# Altium PCB wulpus_pro_acq.PcbDoc (part 3 of 3)
Units mm, origin at the board's own origin, x right, y up, seen from the top; angles counter-clockwise.
Board outline 79.3 x 38 mm, 6 copper layers (Top Layer, Layer 2, Layer 3, Layer 4, Layer 5, Bottom Layer), stack 0.926 mm thick; 202 components, 136 nets, 925 pads, 254 vias.
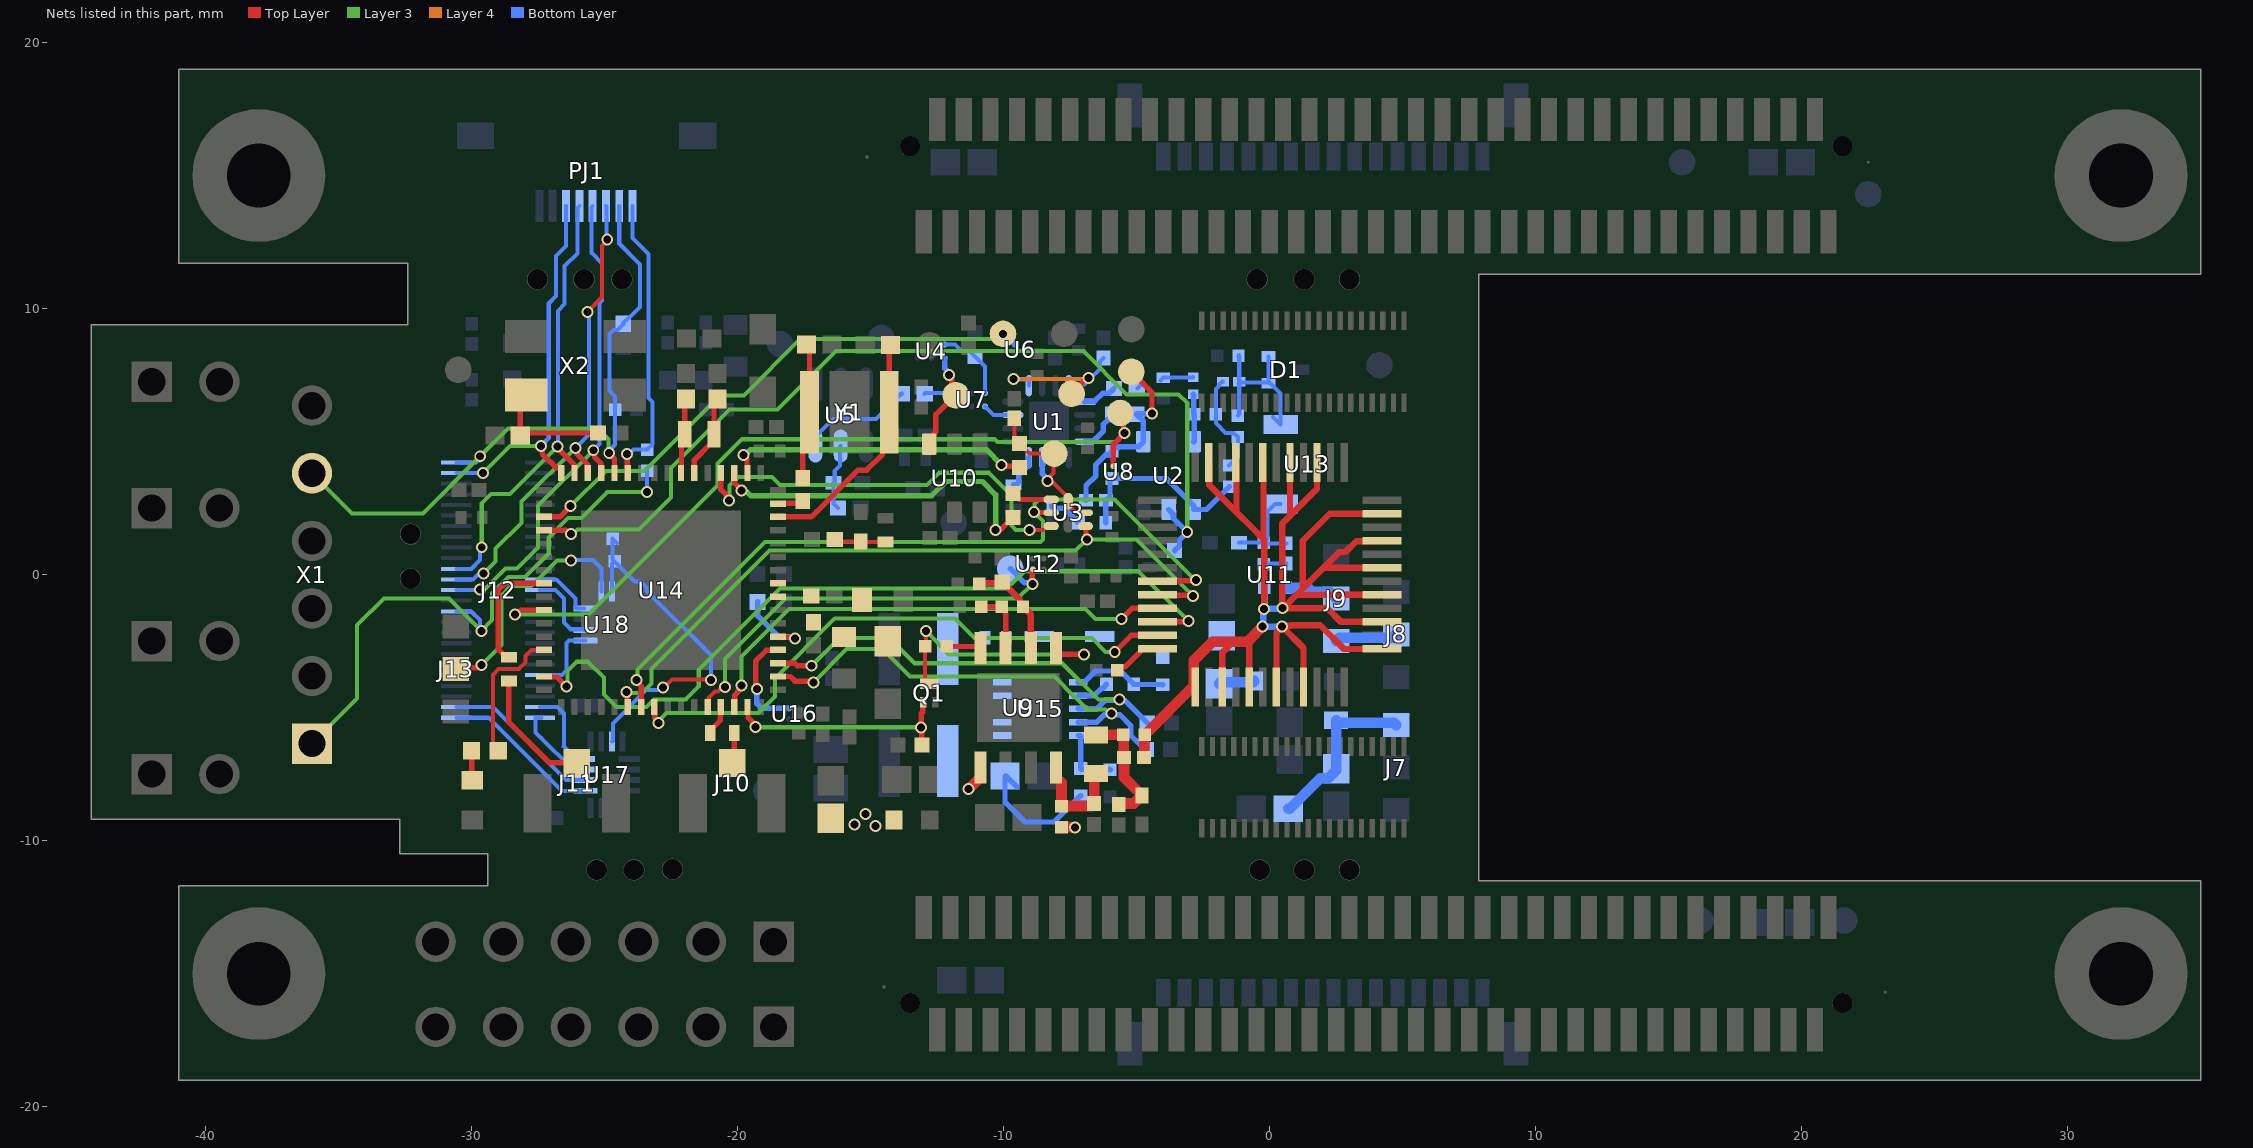
[diagram p7: the nets of this part, all layers, seen from the top]

## Via types
v1: diameter 0.45, hole 0.3, Top Layer to Bottom Layer, tented both sides, 254 vias

## Nets (pads, with @x,y where several pads share a name; then routed paths per layer and width w, separated by ;. In a path a pad name is that pad's centre, name@x,y a point inside that pad or via, vN(x,y) a via of type N, cw(c..) or ccw(c..) an arc to the next point about the centre after c; other vN are vias at no path point) (continued)
HV_EN1: R43.1 U14.50 U15.9 | length 17.6
  Top Layer w0.203: U14.50@-18.48,-3.831 -18.019,-3.831 -17.847,-4.003 -17.197,-4.003 v1(-17.15,-4.05)
  Layer 3 w0.152: v1(-17.15,-4.05) -15.9,-2.8 -14.55,-2.8 -13.525,-3.825 -8.086,-3.825 -7.687,-4.224 -7.687,-4.238 -6.856,-5.069 -6.177,-5.069 -6.022,-5.225 v1(-5.941,-5.225)
  Bottom Layer w0.203: U15.9@-7.2,-5.548 -6.498,-5.548 -6.222,-5.272 -5.988,-5.272 v1(-5.941,-5.225) -5.903,-5.263 -5.637,-5.263 -5.225,-5.675 -5.225,-6.038 -4.873,-6.39 -4.81,-6.39 -4.627,-6.573 R43.1@-4.627,-6.575
HV_EN2: R44.1 U14.51 U15.8 | length 17.4
  Top Layer w0.203: U14.51@-18.48,-3.331 -17.856,-3.331 -17.762,-3.425 v1(-17.225,-3.425)
  Layer 3 w0.152: v1(-17.225,-3.425) -16.175,-2.375 -14.3,-2.375 -13.344,-3.331 -7.806,-3.331 -6.437,-4.7 v1(-5.65,-4.7)
  Bottom Layer w0.203: U15.8@-7.2,-5.048 -6.508,-5.048 -6.179,-4.719 -5.669,-4.719 v1(-5.65,-4.7) -5.603,-4.747 -5.428,-4.747 -4.602,-5.573 R44.1@-4.602,-5.575
HV_MUX_CLR: U11.22 U14.31 | length 30.6
  Top Layer w0.203: U14.31@-27.28,-3.831 -27.261,-3.849 -26.798,-3.849 -26.447,-4.2 v1(-26.43,-4.2) ; U11.22@-4.216,-1.778 -3.078,-1.778 v1(-3.05,-1.75)
  Layer 3 w0.152: v1(-26.43,-4.2) -26.4,-4.17 -26.4,-3.625 -26.05,-3.275 -25.625,-3.275 -25.026,-3.874 -25.026,-4.499 -24.55,-4.975 -23.425,-4.975 -23.15,-4.7 -21.95,-4.7 -21.463,-4.213 -21.463,-3.588 -18.4,-0.525 -9.877,-0.525 -9.226,0.126 -4.926,0.126 v1(-3.05,-1.75)
HV_MUX_LE: U11.21 U14.46 | length 18.7
  Top Layer w0.203: U14.46@-20.13,-4.98 -20.112,-4.961 -20.112,-4.536 -19.994,-4.418 -19.994,-4.375 -19.861,-4.242 v1(-19.861,-4.175) ; v1(-5.575,-1.675) -5.17,-1.27 U11.21@-4.216,-1.27
  Layer 3 w0.152: v1(-19.861,-4.175) -19.861,-3.086 -18.075,-1.3 -6.925,-1.3 -6.55,-1.675 v1(-5.575,-1.675)
HV_MUX_PWR_EN: TP12.1 U12.B2 U14.44 | length 16.5
  Top Layer w0.152: U14.44@-21.13,-4.98 -21.086,-4.936 -21.086,-4.63 -20.856,-4.4 -20.73,-4.4 -20.551,-4.221 v1(-20.47,-4.221)
  Top Layer w0.203: v1(-8.925,-0.35) -8.925,0.169 -8.9,0.194 U12.B2@-8.9,0.2
  Layer 3 w0.152: v1(-20.47,-4.221) -20.47,-3.17 -18.2,-0.9 -9.475,-0.9 v1(-8.925,-0.35)
  Bottom Layer w0.203: TP12.1@-9.75,0.225 -9.215,-0.31 -8.965,-0.31 v1(-8.925,-0.35)
HV_PWR_EN: U14.52 U16.B2 | length 3.9
  Top Layer w0.203: v1(-19.275,-4.306) -19.322,-4.259 -19.322,-3.247 -18.924,-2.849 -18.498,-2.849 U14.52@-18.48,-2.831
  Bottom Layer w0.203: v1(-19.275,-4.306) -19.275,-4.85 -19.1,-5.025 U16.B2@-18.075,-5.025
I2C_A_SCL: J12.36 R45.2 X1.1 | length 22.3
  Layer 3 w0.152: X1.1@-36,-6.35 -34.3,-4.65 -34.3,-1.9 -33.3,-0.9 -30.85,-0.9 v1(-29.632,-2.118) -29.225,-1.711 -29.225,-0.696 -28.614,-0.085 -27.985,-0.085 -27.1,0.8 -27.1,1.4 -26.376,2.124 -25.876,2.124 -24.9,3.1 v1(-23.4,3.1)
  Bottom Layer w0.152: J12.36@-30.575,-1.38 -30.013,-1.38 -29.689,-1.704 -29.689,-2.061 v1(-29.632,-2.118) ; v1(-23.4,3.1) R45.2@-23.4,3.898
JTAG_RESET_N: C56.1 J12.50 PJ1.2 R37.2 U14.12 X1.5 | length 26.2
  Top Layer w0.203: v1(-24.826,4.578) -24.798,4.578 -24.798,4.512 -24.63,4.345 U14.12@-24.63,3.82
  Layer 3 w0.152: X1.5@-36,3.81 -34.49,2.3 -31.825,2.3 v1(-29.675,4.45) -28.625,5.5 -25.25,5.5 -24.855,5.105 -24.855,4.635 -24.812,4.592 v1(-24.826,4.578)
  Bottom Layer w0.152: J12.50@-30.575,4.22 -29.834,4.22 -29.755,4.299 -29.674,4.299 v1(-29.675,4.45) ; v1@-24.796,4.579 v1@-24.798,4.578 ; v1@-24.741,4.521 v1@-24.798,4.578 ; PJ1.2@-24.45,13.85 -24.45,12.45 -23.664,11.664 -23.664,10.065 -24.069,9.66 -24.09,9.66 C56.1@-24.3,9.45 ; C56.1@-24.3,9.429 -24.3,9.407 -24.51,9.197 -24.674,9.197 -24.823,9.048 -24.823,6.923 -24.602,6.702 -24.602,6.3 -24.602,4.882 -24.826,4.658 v1(-24.826,4.578) v1@-24.798,4.578
JTAG_TCK: J12.49 PJ1.6 U14.16 | length 14.5
  Top Layer w0.203: v1(-27.393,4.842) v1@-27.376,4.825 ; v1@-27.375,4.825 -27.334,4.784 -27.334,4.524 -26.828,4.018 -26.648,4.018 -26.63,4 U14.16@-26.63,3.82
  Layer 3 w0.152: v1(-29.575,3.825) -28.558,4.842 v1(-27.393,4.842)
  Bottom Layer w0.152: J12.49@-30.575,3.82 -29.58,3.82 v1(-29.575,3.825) ; v1@-27.393,4.877 v1(-27.393,4.842) -27.1,5.135 -27.1,10.2 -26.825,10.475 -26.825,11.975 -26.45,12.35 PJ1.6@-26.45,13.85
JTAG_TDI: J12.39 PJ1.3 U14.14 | length 18.1
  Top Layer w0.152: v1(-25.65,9.875) -25.099,10.426 -25.099,12.362 -24.901,12.56 v1(-24.901,12.6)
  Top Layer w0.203: v1(-26.101,4.766) -26.054,4.718 -26.054,4.554 -25.648,4.148 -25.648,3.838 U14.14@-25.63,3.82
  Layer 3 w0.152: v1(-29.557,0.038) -29.094,0.501 -29.094,0.976 -28.124,1.946 -28.124,2.743 v1(-26.101,4.766)
  Bottom Layer w0.152: J12.39@-30.575,-0.18 -29.944,-0.18 -29.783,-0.019 -29.614,-0.019 v1(-29.557,0.038) ; v1(-26.101,4.766) -25.65,5.217 -25.593,5.274 -25.593,9.818 v1(-25.65,9.875) ; PJ1.3@-24.95,13.85 -24.926,13.826 -24.926,12.624 v1(-24.901,12.6)
JTAG_TDO: J12.38 PJ1.4 U14.13 | length 18.7
  Top Layer w0.203: v1@-25.422,4.675 -25.379,4.633 -25.379,4.423 -25.148,4.192 -25.148,3.838 U14.13@-25.13,3.82
  Layer 3 w0.152: v1(-29.676,-0.55) -29.619,-0.493 -29.45,-0.493 -28.725,0.231 -28.285,0.231 -27.5,1.016 -27.5,2.602 v1(-25.427,4.675)
  Bottom Layer w0.152: J12.38@-30.575,-0.58 -29.706,-0.58 -29.685,-0.56 v1(-29.676,-0.55) ; PJ1.4@-25.45,13.85 -25.5,13.8 -25.5,12.1 -25.099,11.699 -25.099,10.299 -25.199,10.199 -25.199,7.651 -25.2,7.65 -25.2,4.913 -25.427,4.686 v1(-25.427,4.675)
JTAG_TEST: PJ1.1 R45.1 U14.11 | length 11.2
  Top Layer w0.203: v1(-24.167,4.533) -24.192,4.533 -24.2,4.525 -24.2,4.458 -24.148,4.407 -24.148,3.838 U14.11@-24.13,3.82
  Layer 3 w0.152: v1@-24.2,4.525 -24.192,4.533 v1(-24.167,4.533)
  Bottom Layer w0.152: v1@-24.167,4.563 v1(-24.167,4.533) -24.086,4.533 -23.917,4.702 -23.398,4.702 -23.2,4.9 -23.2,6.492 -23.35,6.642 -23.35,12.05 -23.95,12.65 PJ1.1@-23.95,13.85
JTAG_TMS: J12.40 PJ1.5 U14.15 | length 17.6
  Top Layer w0.203: v1(-26.776,4.821) -26.73,4.776 -26.73,4.721 -26.148,4.139 -26.148,3.838 U14.15@-26.13,3.82
  Layer 3 w0.152: v1(-29.619,1.03) -29.619,2.675 -29.262,3.032 -28.564,3.032 v1(-26.776,4.821)
  Bottom Layer w0.152: J12.40@-30.575,0.22 -30.013,0.22 -29.691,0.542 -29.691,0.884 -29.634,0.94 -29.634,1.027 -29.632,1.03 v1(-29.619,1.03) ; v1@-26.73,4.776 v1(-26.776,4.821) -26.759,4.838 -26.759,5.141 -26.755,5.145 -26.755,9.917 -26.5,10.171 -26.5,11.6 -26.024,12.076 -26.024,13.776 PJ1.5@-25.95,13.85
LED_MSP430: R36.1 U14.29 | length 5.4
  Top Layer w0.152: R36.1@-29,-6.625 -29.2,-6.425 -29.2,-4.6 -29.195,-4.595 -29.195,-4.222 -29.2,-4.217 -29.2,-3.764 -28.984,-3.548 -28.228,-3.548 -27.981,-3.301 -27.981,-3.056 -27.756,-2.831 U14.29@-27.28,-2.831
LFXIN: C60.2 U14.6 Y2.1 | length 3.1
  Top Layer w0.203: U14.6@-21.63,3.82 -21.63,4.301 -21.05,4.882 -21.038,4.882 -20.89,5.03 Y2.1@-20.89,5.28 -20.89,6.456 C60.2@-20.75,6.596
LFXOUT: C58.2 U14.7 Y2.2 | length 2.9
  Top Layer w0.203: U14.7@-22.13,3.82 -22.112,3.838 -22.112,5.159 Y2.2@-21.99,5.28 -21.99,6.551 C58.2@-21.94,6.601
LVL_SHIFTER_EN: R46.1 R47.2 U17.7 U18.7 | length 13.4
  Top Layer w0.152: v1@-22.803,-4.245 -22.803,-4.274 -22.786,-4.274 -22.462,-3.95 -21.024,-3.95 -21.024,-3.955 v1(-21.008,-3.955)
  Bottom Layer w0.152: U17.7@-24.725,-6.28 -24.691,-6.246 -24.691,-5.591 -23.443,-4.343 -22.855,-4.343 -22.824,-4.312 -22.824,-4.266 v1@-22.803,-4.245 ; U18.7@-24.725,-0.63 -24.725,0.4 R47.2@-24.627,0.498 ; R47.2@-24.698,0.569 R46.1@-24.698,1.348 ; R46.1@-24.698,1.35 R46.1@-24.698,1.348 ; R47.2@-24.627,0.5 R47.2@-24.627,0.498 ; R46.1@-24.54,1.19 R46.1@-24.698,1.348 ; v1@-21.011,-3.955 v1(-21.008,-3.955) ; v1@-21.008,-3.944 -21.008,-3.024 -23.424,-0.608 -23.424,-0.476 -23.65,-0.25 -23.879,-0.25 R47.2@-24.627,0.498
  other v1: -22.803,-4.245
MSP_CS: J12.12 U18.4 | length 2.3
  Bottom Layer w0.152: J12.12@-27.425,-0.18 -26.817,-0.18 -26.1,-0.897 -26.1,-1.152 -26.099,-1.153 -26.099,-1.241 -26.065,-1.275 U18.4@-25.77,-1.275
MSP_DR1: J12.13 U18.2 | length 2.8
  Bottom Layer w0.152: J12.13@-27.425,-0.58 -26.845,-0.58 -26.525,-0.9 -26.525,-1.805 -26.277,-2.052 -25.793,-2.052 U18.2@-25.77,-2.075
MSP_DR2: J12.21 U18.1 | length 2.9
  Bottom Layer w0.152: J12.21@-27.425,-3.78 -26.605,-3.78 -26.425,-3.6 -26.425,-2.564 -26.336,-2.475 U18.1@-25.72,-2.475
NetC1_1: C1.1 R2.2 R3.1 R7.2 U2.4 | length 7.1
  Bottom Layer w0.203: R2.2@-6.162,1.95 -6.156,1.956 -6.156,2.794 C1.1@-6.15,2.8 -6.136,2.8 -6.002,2.935 -6.002,3.536 R3.1@-5.925,3.612 -3.887,3.612 -2.85,2.575 U2.4@-2.85,2.45 -2.373,2.45 -2.016,2.807 -2.016,2.809 -1.527,3.298 R7.2@-1.525,3.298
NetC3_2: C3.2 R2.1 | length 1.3
  Bottom Layer w0.203: C3.2@-8.2,2.604 -8.2,2.569 -8.12,2.489 -7.714,2.489 -7.188,1.963 R2.1@-7.188,1.95 R2.1@-7.21,1.973
NetC4_2: C4.2 U1.4 | length 1.7
  Bottom Layer w0.203: U1.4@-6.95,5 -6.658,5 -6.53,5.129 -6.513,5.129 -6.25,5.392 -6.25,5.654 -6.085,5.819 -6.085,5.84 -5.9,6.025 C4.2@-5.879,6.025
NetC6_1: C6.1 D1.1 D1.2 R6.1 R28.2 U13.3 | length 6.6
  Bottom Layer w0.152: R6.1@-1.2,5.977 -1.146,6.031 C6.1@-1.146,7.25 ; R28.2@-1.15,8.248 R28.2@-1.173,8.225 -1.146,8.198 C6.1@-1.146,7.25 ; D1.2@-0.045,8.2 D1.1@-0.045,7.2 ; U13.3@0.128,5.928 U13.3@0.407,5.649 0.407,6.803 0.01,7.2 D1.1@-0.045,7.2 ; C6.1@-1.146,7.25 -1.121,7.225 -0.07,7.225 D1.1@-0.045,7.2
NetC6_2: C6.2 R6.2 R7.1 R8.1 | length 3.9
  Bottom Layer w0.152: R8.1@-2.023,6.025 -2.025,6.023 -2.025,5.7 -1.656,5.331 -1.358,5.331 R6.2@-1.2,5.173 -1.2,4.425 R7.1@-1.525,4.102 R7.1@-1.525,4.102 ; R8.1@-2.02,6.03 -2.02,6.985 -1.905,7.099 -1.905,7.145 -1.8,7.25 C6.2@-1.754,7.25
NetC7_2: C7.2 U1.1 | length 1.3
  Bottom Layer w0.203: U1.1@-6.95,6.5 -6.932,6.518 -6.582,6.518 -6.285,6.815 -6.038,6.815 C7.2@-5.854,7
NetC10_2: C10.2 U5.6 | length 4.3
  Bottom Layer w0.152: U5.6@-17.075,4.834 -17.075,5.191 -16.416,5.85 -14.8,5.85 -13.85,6.8 C10.2@-13.829,6.8
NetC25_2: C25.2 C41.2 R15.2 R26.1 R30.2 | length 4.7
  Top Layer w0.4: R15.2@-6.525,-6.025 R30.2@-5.502,-6.025 -5.49,-6.037 -5.49,-6.863 C41.2@-5.479,-6.875 -5.479,-7.621 -4.9,-8.2 -4.85,-8.2 -4.8,-8.25 -4.8,-8.35 -4.85,-8.4 -4.91,-8.4 -5.116,-8.605 -5.645,-8.605 C25.2@-5.675,-8.635
NetC27_2: C27.2 C43.1 R21.2 | length 1.9
  Top Layer w0.152: C43.1@-16.346,1.325 -16.271,1.25 C27.2@-15.375,1.25 -15.35,1.225 R21.2@-14.45,1.225
NetC38_1: C38.1 C39.1 J7.1 R24.2 | length 6.6
  Bottom Layer w0.4: C38.1@0.701,-8.8 0.75,-8.8 1.898,-7.652 2.197,-7.652 2.5,-7.349 C39.1@2.5,-7.299 R24.2@2.5,-5.475 2.588,-5.562 4.662,-5.562 J7.1@4.75,-5.65
NetC54_2: C54.2 R35.1 X2.1 | length 4.6
  Top Layer w0.203: X2.1@-27.95,6.75 -28.171,6.529 C54.2@-28.171,5.225 -28.071,5.325 R35.1@-25.25,5.325
NetC57_2: C57.2 R38.1 Y1.1 | length 5.2
  Top Layer w0.203: R38.1@-17.55,3.625 -17.55,5.85 Y1.1@-17.3,6.1 -17.3,8.546 C57.2@-17.404,8.65
NetC67_1: C67.1 D3.1 U15.5
NetC67_2: C67.2 L4.2 U15.4
NetD2_2: D2.2 R36.2 | length 1.1
  Top Layer w0.203: R36.2@-30,-6.625 -30,-7.7 D2.2@-29.975,-7.725
NetJ8_2: J8.2 J9.3 | length 2.4
  Bottom Layer w0.4: J9.3@2.5,-2.5 2.625,-2.375 4.625,-2.375 J8.2@4.75,-2.25
NetJ9_2: J9.2 R27.2 | length 2.1
  Bottom Layer w0.4: R27.2@0.602,-0.5 1.436,-0.5 1.586,-0.65 2.25,-0.65 J9.2@2.5,-0.9
NetJ10_1: J10.1 R33.1 | length 1.2
  Top Layer w0.203: J10.1@-20.2,-7.075 -20.125,-7 R33.1@-20.125,-5.95
NetJ11_1: J11.1 R34.1 | length 4.7
  Top Layer w0.203: R34.1@-28.6,-4 -28.6,-5.549 -27.074,-7.075 J11.1@-26.05,-7.075
NetJ13_2: J13.2 U18.6 | length 9.3
  Top Layer w0.203: J13.2@-30.6,-3.55 -30.552,-3.502 -29.8,-3.502 -29.701,-3.402 v1(-29.634,-3.402)
  Layer 3 w0.152: v1(-29.634,-3.402) -28.877,-2.645 -28.877,-0.776 -28.536,-0.434 -27.757,-0.434 -26.796,0.527 v1(-26.255,0.527)
  Bottom Layer w0.152: v1(-26.255,0.527) -26.255,0.522 -26.24,0.506 -26.198,0.548 -25.436,0.548 -25.125,0.237 U18.6@-25.125,-0.63
NetL3_2: L3.2 U15.2
NetR4_2: R4.2 U1.8 | length 1.3
  Bottom Layer w0.203: R4.2@-9.625,3.375 -9.525,3.375 -9.427,3.473 -9.427,3.74 -9.053,4.114 U1.8@-9.053,4.397
NetR5_2: R5.2 U3.1 | length 1.5
  Top Layer w0.2: R5.2@-9.65,3.054 -9.646,3.054 -9.418,2.825 U3.1@-8.215,2.825
NetR8_2: R8.2 R9.2 U2.3 | length 1.8
  Bottom Layer w0.203: R9.2@-2.875,6.775 -2.851,6.751 -2.851,6.049 R8.2@-2.827,6.025 -2.839,6.014 -2.839,5.011 U2.3@-2.85,5
NetR23_2: R23.2 U11.24 | length 1.9
  Top Layer w0.203: R23.2@-5.723,-3.6 -5.723,-3.598 -5.59,-3.465 -5.441,-3.465 -4.846,-2.87 -4.846,-2.832 -4.808,-2.794 U11.24@-4.216,-2.794
NetR31_1: R31.1 U14.53 | length 2.9
  Top Layer w0.203: U14.53@-18.48,-2.33 -18.462,-2.349 -17.968,-2.349 -17.917,-2.4 v1(-17.85,-2.4)
  Bottom Layer w0.203: R31.1@-19.25,-1.025 -19.239,-1.036 -19.239,-1.559 -18.446,-2.353 -17.897,-2.353 v1(-17.85,-2.4)
NetR39_1: R39.1 R40.1 U15.10 | length 2.4
  Bottom Layer w0.203: U15.10@-7.2,-6.048 -7.124,-6.048 -7.1,-6.071 R39.1@-7.1,-7.286 -7.076,-7.31 -6.023,-7.31 R40.1@-6,-7.333
NetR41_1: R41.1 U15.7 | length 1.2
  Bottom Layer w0.203: U15.7@-7.2,-4.548 -6.596,-4.548 -6.322,-4.273 -6.273,-4.273 -6.137,-4.137 R41.1@-6.137,-4.125
NetR41_2: R41.2 R42.2 U15.6 | length 3.6
  Bottom Layer w0.203: U15.6@-7.2,-4.048 -6.975,-4.048 -6.551,-3.623 -5.602,-3.623 -5.113,-4.112 R41.2@-5.113,-4.125 -5.107,-4.131 -4.031,-4.131 R42.2@-4.025,-4.137
NetTP10_1: TP10.1 U4.C2 U10.3 | length 3.8
  Top Layer w0.203: U10.3@-12.8,4.9 -12.626,5.074 -12.626,5.291 -12.551,5.366 -12.551,6.022 -11.83,6.744 TP10.1@-11.8,6.744 ; v1(-12.049,7.499) -12.049,7.432 -11.952,7.335 -11.952,6.893 TP10.1@-11.9,6.841
  Bottom Layer w0.203: U4.C2@-12.225,8.15 -12.225,8.144 -12.221,8.139 -12.221,7.762 -12.025,7.567 -12.025,7.5 -12.026,7.499 v1(-12.049,7.499)
PCAP: C12.1 C13.2 U5.5 | length 2.5
  Bottom Layer w0.152: C12.1@-16.229,2.5 -16.4,2.671 C13.2@-16.4,3.45 -16.35,3.5 -16.35,3.9 -16.144,4.106 -16.144,4.816 U5.5@-16.125,4.834
PREAMP_EN: R12.1 U2.5 U14.20 | length 35.4
  Top Layer w0.203: U14.20@-27.28,1.671 -26.469,1.671 -26.322,1.523 v1(-26.255,1.523)
  Layer 3 w0.152: v1(-26.255,1.523) -26.194,1.523 -26.017,1.7 -23.7,1.7 -22.5,2.9 -22.5,4 -20.3,6.2 -18.5,6.2 -16.3,8.4 -7,8.4 -5.375,6.775 -3.425,6.775 -3.099,6.449 -3.099,4.001 -3.1,4 v1(-3.1,1.6)
  Bottom Layer w0.203: U2.5@-3.8,2.45 -3.626,2.277 -3.626,2.127 v1(-3.1,1.6) -3.39,1.31 -3.39,1.085 -3.573,0.902 R12.1@-3.575,0.902
PREAMP_PWR_EN: TP5.1 U8.B2 U14.26 | length 29.7
  Top Layer w0.203: v1(-28.375,-1.503) -28.375,-1.5 -28.308,-1.5 -28.138,-1.33 U14.26@-27.28,-1.33 ; U8.B2@-5.875,4.075 -5.875,4.9 v1(-5.45,5.325) -5.497,5.372 -5.497,5.947 TP5.1@-5.625,6.075
  Layer 3 w0.152: v1(-28.375,-1.503) -28.375,-1.5 -25.6,-1.5 -20.75,3.35 -20.75,4.176 -19.837,5.089 -10.339,5.089 -10.231,4.981 -5.794,4.981 v1(-5.45,5.325)
PULS_HIZ_EN: Q1.1 R16.2 U14.47 | length 8.7
  Top Layer w0.203: U14.47@-19.63,-4.98 -19.612,-4.998 -19.612,-5.372 -19.325,-5.658 v1(-19.325,-5.725) ; R16.2@-13.073,-6.4 -13.086,-6.386 -13.086,-5.764 v1(-13.1,-5.75) -13.1,-5.221 -13.049,-5.169 -13.049,-4.823 Q1.1@-13.025,-4.8
  Layer 3 w0.152: v1(-19.325,-5.725) -19.312,-5.737 -13.112,-5.737 v1(-13.1,-5.75)
PULSER_EN_A: Q1.3 R19.1 U9.1 | length 9.4
  Top Layer w0.152: v1(-12.925,-2.125) -12.925,-2.673 R19.1@-12.952,-2.7 -12.952,-3.976 -12.828,-4.1 Q1.3@-12.8,-4.1
  Top Layer w0.203: U9.1@-8.025,-3.002 -8.023,-3 v1(-6.975,-3)
  Layer 3 w0.152: v1(-12.925,-2.125) -12.05,-3 v1(-6.975,-3)
PULSER_EN_B: R19.2 U9.4 | length 1.3
  Top Layer w0.203: R19.2@-12.148,-2.7 -10.925,-2.7 U9.4@-10.875,-2.75
PULSER_IN_A: R13.2 R14.2 R17.1 U9.2 | length 3.8
  Top Layer w0.24: R13.2@-10.923,-0.35 -10.886,-0.314 -10.086,-0.314 R14.2@-10.05,-0.277 -10.048,-0.277 -9.387,-0.938 -9.387,-1.086 R17.1@-9.273,-1.2 R17.1@-9.273,-1.2 -8.975,-1.5 U9.2@-8.975,-2.75
PULSER_IN_B: R17.2 R18.2 U9.3 | length 2.4
  Top Layer w0.203: R18.2@-10.848,-1.2 R17.2@-10.077,-1.2 -9.945,-1.332 -9.945,-1.434 -9.925,-1.454 U9.3@-9.925,-2.75
PULSER_OUT_A: C24.2 R15.1 R20.1 U9.8 | length 3.9
  Top Layer w0.4: U9.8@-8.025,-7.25 -8,-7.275 -8,-7.65 -7.825,-7.825 R20.1@-7.825,-8.698 -6.668,-8.698 -6.66,-8.69 C24.2@-6.6,-8.69 ; C24.2@-6.6,-8.61 -6.6,-7.55 R15.1@-6.525,-7.475
PULSER_OUT_B: R20.2 U9.5 | length 1.5
  Top Layer w0.3: v1(-11.325,-8.05) v1@-11.3,-8.05
  Top Layer w0.4: v1(-11.325,-8.05) -11.315,-8.04 -11.29,-8.04 -10.875,-7.625 U9.5@-10.875,-7.25 ; v1(-7.325,-9.5) -7.326,-9.501 R20.2@-7.824,-9.501 ; R20.2@-7.825,-9.502 R20.2@-7.824,-9.501
PVCC: C44.2 C45.2 C46.1 C47.1 L1.2 U14.56 U14.57
RF_BYPASS: R11.1 U4.C1 U7.C1 | length 2.9
  Bottom Layer w0.152: U4.C1@-12.225,8.65 -11.825,8.65 -11.581,8.406 -11.283,8.406 R11.1@-11.075,8.198 -11.073,8.198 -10.7,7.825 U7.C1@-10.7,6.825
RF_IN_ENV: C10.1 U7.A1 | length 1.4
  Bottom Layer w0.152: C10.1@-12.971,6.8 -12.946,6.825 -11.95,6.825 ; -11.825,6.825 -11.95,6.825 ; U7.A1@-11.7,6.825 -11.95,6.825
RX_SPI_CLK: U3.5 U11.20 U14.38 | length 27.4
  Top Layer w0.203: v1(-24.18,-4.42) -24.148,-4.452 -24.148,-4.961 U14.38@-24.13,-4.98 ; U3.5@-6.935,1.825 -6.905,1.795 -6.905,1.355 v1(-6.875,1.325) ; U11.20@-4.216,-0.762 -4.197,-0.781 -2.894,-0.781 v1(-2.875,-0.8)
  Layer 3 w0.152: v1(-24.18,-4.42) -24.143,-4.457 -23.607,-4.457 -23.242,-4.092 -23.242,-3.542 -18.8,0.9 -7.3,0.9 v1(-6.875,1.325) ; v1@-6.85,1.325 -5,1.325 v1(-2.875,-0.8)
RX_SPI_MISO: U11.23 U14.40 | length 22.3
  Top Layer w0.203: U14.40@-23.13,-4.98 -23.112,-4.998 -23.112,-5.38 -22.975,-5.516 v1(-22.975,-5.583) ; v1(-5.824,-2.906) -5.205,-2.286 U11.23@-4.216,-2.286
  Layer 3 w0.152: v1(-22.975,-5.583) -22.975,-5.503 -22.672,-5.2 -19.225,-5.2 -18.6,-4.575 -18.6,-3.9 -16.35,-1.65 -11.829,-1.65 -11.091,-2.387 -6.687,-2.387 -6.169,-2.906 v1(-5.824,-2.906)
RX_SPI_MOSI: U3.2 U11.19 U14.39 | length 29.8
  Top Layer w0.203: v1(-23.8,-3.955) -23.8,-4.022 -23.63,-4.192 U14.39@-23.63,-4.98 ; v1(-8.863,2.35) -8.847,2.334 -8.224,2.334 U3.2@-8.215,2.325 ; U11.19@-4.216,-0.254 -4.194,-0.231 -2.795,-0.231 v1(-2.772,-0.209)
  Layer 3 w0.152: v1(-23.8,-3.955) -23.759,-3.914 -23.759,-3.559 -18.975,1.225 -8.614,1.225 -8.525,1.314 -8.525,2.012 v1(-8.863,2.35) -8.838,2.375 -8.838,2.662 -8.675,2.825 -5.825,2.825 -2.782,-0.218 v1(-2.772,-0.209)
SPI_B_CLK: J12.27 U17.2 | length 5.9
  Bottom Layer w0.152: J12.27@-30.575,-4.98 -29.195,-4.98 -26.45,-7.725 U17.2@-25.77,-7.725
SPI_B_CS: J12.24 U17.4 | length 3.2
  Bottom Layer w0.152: J12.24@-27.425,-4.98 -26.77,-4.98 -26.535,-5.215 ; -26.535,-6.455 -26.099,-6.891 -25.804,-6.891 U17.4@-25.77,-6.925 ; -26.532,-6.452 -26.532,-5.218
SPI_B_MISO: J12.26 U17.1 | length 6
  Bottom Layer w0.152: J12.26@-30.575,-5.38 -29.345,-5.38 -26.6,-8.125 U17.1@-25.72,-8.125
SPI_B_MOSI: J12.25 U17.3 | length 3.2
  Bottom Layer w0.152: J12.25@-27.375,-5.38 J12.25@-27.425,-5.38 -27.6,-5.38 -27.6,-5.926 -27.375,-6.151 -26.235,-7.291 -25.804,-7.291 U17.3@-25.77,-7.325
TR_SW_IN: C42.1 R25.1 R29.2 U13.1 | length 3.6
  Bottom Layer w0.152: R29.2@-1.15,1.2 R25.1@-0.225,1.2 ; U13.1@0.407,2.651 0.204,2.651 -0.075,2.372 -0.075,1.35 R25.1@-0.225,1.2 ; C42.1@0.625,1.179 -0.204,1.179 R25.1@-0.225,1.2
TRIG_OUT: R33.2 U14.45 | length 1.1
  Top Layer w0.203: R33.2@-21.025,-5.95 -21.025,-5.85 -20.648,-5.473 -20.648,-4.998 U14.45@-20.63,-4.98
TX_RX: C41.1 C42.2 R25.2 R27.1 R30.1 U11.3 U11.5 U11.7 U11.9 U11.11 U11.25 U11.27 U11.29 U11.31 U11.33 U11.37 U11.39 U11.41 U11.43 U11.45 U11.47 | length 63.3
  Top Layer w0.24: U11.11@-2.286,4.216 -2.266,4.197 -2.266,3.366 -1.25,2.35 ; U11.27@-1.778,-4.216 -1.778,-2.928 -1.773,-2.928 -1.37,-2.525 ; U11.9@-1.27,4.216 -1.25,4.197 -1.25,2.35 ; U11.29@-0.762,-4.216 -0.762,-2.462 ; U11.7@-0.254,4.216 -0.234,4.197 -0.234,1.334 ; -0.234,1.3 -0.234,1.334 ; v1(-0.221,-1.286) -0.2,-1.264 -0.2,1.3 -0.234,1.334 ; U11.31@0.254,-4.216 0.254,-2.172 v1(0.469,-1.957) ; U11.5@0.762,4.216 0.762,2.212 ; U11.33@1.27,-4.216 1.27,-2.758 v1(0.469,-1.957) ; U11.3@1.778,4.216 1.778,3.228 0.762,2.212 ; U11.37@4.216,-2.794 2.794,-2.794 1.9,-1.9 0.814,-1.9 0.797,-1.917 0.509,-1.917 v1(0.469,-1.957) ; U11.39@4.216,-1.778 2.678,-1.778 2.159,-1.259 v1@0.509,-1.259 ; U11.41@4.216,-0.762 1.005,-0.762 ; U11.43@4.216,0.254 2.021,0.254 ; U11.45@4.216,1.27 4.197,1.25 3.25,1.25 2.85,0.85 2.617,0.85 2.021,0.254 ; U11.47@4.216,2.286 2.261,2.286 1.243,1.268 1.243,-0.524 ; -1.25,2.35 -0.7,1.8 -0.234,1.334 ; v1@0.509,-1.259 v1(0.473,-1.259) 0.473,1.923 0.762,2.212 ; v1@0.509,-1.259 1.005,-0.762 ; 1.005,-0.762 1.243,-0.524 ; 1.243,-0.524 2.021,0.254
  Top Layer w0.4: C41.1@-4.721,-6.875 -4.71,-6.863 -4.71,-6.037 R30.1@-4.698,-6.025 -4.664,-5.991 -4.664,-5.989 U11.25@-2.892,-4.217 ; U11.25@-2.854,-4.157 -2.854,-3.229 -2.15,-2.525 -1.37,-2.525 -0.825,-2.525 -0.762,-2.462 -0.762,-2.447 -0.278,-1.963 v1(-0.278,-1.949)
  Bottom Layer w0.152: R27.1@-0.202,-0.5 -0.202,0.421 C42.2@0.625,0.421
  Bottom Layer w0.24: v1@-0.212,-1.276 -0.212,-0.51 R27.1@-0.202,-0.5 ; v1(0.469,-1.957) 0.465,-1.953 -0.275,-1.953 v1(-0.278,-1.949) -0.25,-1.921 -0.25,-1.314 v1(-0.221,-1.286) 0.448,-1.284 v1(0.473,-1.259)
USSXTIN: C59.2 U14.62 Y1.3 | length 9.1
  Top Layer w0.203: U14.62@-18.48,2.171 -17.224,2.171 -15.469,3.925 -15.15,3.925 -14.554,4.521 -14.554,5.846 Y1.3@-14.3,6.1 -14.3,8.571 C59.2@-14.246,8.625
USSXTOUT: R38.2 U14.63 | length 1
  Top Layer w0.203: U14.63@-18.48,2.671 -18.462,2.689 -17.636,2.689 R38.2@-17.55,2.775
UUPS_TRIG_IN: R34.2 U14.24 | length 4.6
  Top Layer w0.203: R34.2@-28.6,-3.1 -28.7,-3.1 -29,-2.8 -29,-0.585 -28.745,-0.33 U14.24@-27.28,-0.33
VGA_GAIN: C5.1 R1.2 TP1.1 U1.7 U3.6 U3.8 | length 6.5
  Top Layer w0.152: C5.1@-9.6,5.884 -9.6,5.127 R1.2@-9.4,4.927 -9.398,4.927 -9.021,4.55 TP1.1@-8.1,4.55 -8.134,4.516 -8.134,3.821 -8.35,3.606 v1(-8.35,3.525) v1@-8.325,3.55 ; v1@-8.143,3.468 -7.575,2.9 U3.8@-7.575,2.76 -7.575,2.625 -7.375,2.425 -7.294,2.344 -6.954,2.344 U3.6@-6.935,2.325
  Bottom Layer w0.203: U1.7@-8.553,4.397 -8.546,4.39 -8.546,3.788 -8.35,3.592 v1(-8.35,3.525)
VGA_GAIN_CS: U3.3 U14.4 | length 16
  Top Layer w0.152: v1(-9.034,1.684) -8.518,1.684 -8.377,1.825 U3.3@-8.215,1.825
  Top Layer w0.203: U14.4@-20.63,3.82 -20.64,3.81 -20.64,3.185 -20.607,3.185 -20.273,2.851 v1(-20.329,2.795)
  Layer 3 w0.152: v1(-20.329,2.795) -20.273,2.851 -20.322,2.9 -20.277,2.945 -20.304,2.972 -20.304,3.346 -19.975,3.675 -18.713,3.675 -18.403,3.365 -12.889,3.365 -12.425,3.829 -10.554,3.829 -9.7,2.975 -9.7,1.839 -9.545,1.684 v1(-9.034,1.684)
VGA_GAIN_RC_EN: R5.1 U14.3 | length 13
  Top Layer w0.2: v1(-10.3,1.676) -10.252,1.724 -10.076,1.724 -9.654,2.146 R5.1@-9.65,2.146
  Top Layer w0.203: U14.3@-20.13,3.82 -20.112,3.802 -20.112,3.437 -19.935,3.261 -19.935,3.194 -19.853,3.194 v1(-19.853,3.159)
  Layer 3 w0.2: v1(-19.853,3.159) -19.805,3.111 -19.651,3.111 -19.511,2.971 -12.704,2.971 -12.175,3.5 -10.8,3.5 -10.3,3 v1(-10.3,1.676)
VGA_GAIN_RC_SINK: R1.1 U14.2 | length 11.5
  Top Layer w0.2: v1(-19.788,4.5) -19.775,4.487 -19.777,4.485 -19.65,4.357 -19.65,3.84 U14.2@-19.63,3.82 ; v1(-10.075,4.125) -10.027,4.077 -9.454,4.077 R1.1@-9.4,4.023
  Layer 3 w0.2: v1(-19.788,4.5) -19.72,4.5 -19.52,4.7 -10.65,4.7 v1(-10.075,4.125)
VGA_IN: C1.2 C4.1 R3.2 TP2.1 U2.1 | length 7.4
  Top Layer w0.203: TP2.1@-5.2,7.625 -4.425,6.85 v1(-4.425,6.05) v1@-4.472,6.097
  Bottom Layer w0.203: C1.2@-6.907,2.8 -6.907,3.343 -6.536,3.714 -6.536,4.131 -6.165,4.502 -6.061,4.502 R3.2@-5.925,4.638 ; R3.2@-5.937,4.638 R3.2@-5.925,4.638 ; v1(-4.425,6.05) -4.432,6.043 -5.003,6.043 C4.1@-5.021,6.025 -5,6.025 -4.75,5.775 -4.75,4.985 -4.923,4.811 -5.658,4.811 -5.695,4.774 -5.789,4.774 R3.2@-5.925,4.638
VGA_OUT: U1.11 U7.C2 | length 1.2
  Bottom Layer w0.152: U7.C2@-10.7,6.325 -10.375,6 U1.11@-9.656,6
VGA_PWR_EN: TP4.1 U6.B2 U14.19 | length 20.7
  Top Layer w0.203: U14.19@-27.28,2.171 -26.676,2.171 -26.275,2.571 v1(-26.275,2.575)
  Layer 3 w0.152: v1(-26.275,2.575) -24.95,3.9 -23.5,3.9 -20.666,6.734 -19.766,6.734 -17.65,8.85 -10.263,8.85 -10.063,9.05 v1(-10.025,9.05)
  Bottom Layer w0.203: v1(-10.025,9.05) -9.981,9.05 -9.581,8.65 U6.B2@-9.575,8.65
VGA_VREF: C2.2 C7.1 C8.1 R9.1 TP7.1 U1.13 U1.16 | length 8.4
  Top Layer w0.203: TP7.1@-7.5,6.8 TP7.1@-7.447,6.8 -6.859,7.388 v1(-6.806,7.388)
  Layer 4 w0.152: v1(-9.625,7.35) -6.844,7.35 v1(-6.806,7.388)
  Bottom Layer w0.152: v1(-9.625,7.35) -9.605,7.33 -9.093,7.33 -9.053,7.29 U1.13@-9.053,7.103 ; U1.16@-7.553,7.103 -7.553,7.11 -7.513,7.15 -6.963,7.15 ; v1@-6.94,7.222 -6.963,7.2 -6.963,7.15 ; v1(-6.806,7.388) -6.963,7.232 -6.963,7.15 ; C2.2@-6.25,8.145 -6.387,8.008 -6.387,7.726 -6.765,7.347 -6.922,7.191 -6.963,7.15 ; C7.1@-4.975,7 C7.1@-4.765,7.21 ; C8.1@-4.104,7.296 -3.987,7.412 -2.887,7.412 R9.1@-2.875,7.425
VOUT_NEG: C61.1 C68.1 D3.2 FB1.1 R42.1 | length 1.4
  Bottom Layer w0.4: C61.1@-1.9,-4.099 -1.85,-4.05 -0.625,-4.05 FB1.1@-0.575,-4
VOUT_POS: C63.1 C65.1 FB2.1 R39.2 U15.1 | length 5.2
  Bottom Layer w0.203: C63.1@-9.506,-7.974 -9.908,-7.573 C63.1@-9.951,-7.573 -9.951,-8.549 -9.2,-9.3 -8.103,-9.3 -7.113,-8.31 R39.2@-7.1,-8.31
  other v1: -14.825,-9.45 -15.6,-9.4 -15.2,-9
pads on no net: J1.3 J1.4 J1.37 J1.38 J2.3 J2.4 J2.37 J2.38 J3. J3.2 J3.3 J3.4 J3.5 J3.6 J3.7 J3.8 J3.9 J3.10 J3.11 J3.20 J3.21 J3.22 J3.23 J3.24 J3.25 J3.26 J3.27 J3.28 J3.29 J3.30 J3.31 J3.32 J3.33 J3.34 J3.36 J3.37 J3.38 J3.39 J3.40 J3.41 J3.42 J3.43 J3.44 J3.45 J3.46 J3.47 J3.48 J3.49 J3.50 J3.51 J3.52 J3.53 J3.54 J3.55 J3.56 J3.57 J3.58 J3.59 J3.60 J3.61 J3.62 J3.63 J3.64 J3.65 J3.66 J3.67 J3.68 J3.69 J3.B1 J3.B2 J4.17 J4.18 J5. J5.2 J5.3 J5.4 J5.5 J5.6 J5.7 J5.8 J5.9 J5.10 J5.11 J5.12 J5.13 J5.14 J5.15 J5.16 J5.25 J5.26 J5.27 J5.28 J5.29 J5.30 J5.31 J5.32 J5.33 J5.34 J5.36 J5.37 J5.38 J5.39 J5.40 J5.41 J5.42 J5.43 J5.44 J5.45 J5.46 J5.47 J5.48 J5.49 J5.50 J5.51 J5.52 J5.53 J5.54 J5.55 J5.56 J5.57 J5.58 J5.59 J5.60 J5.61 J5.62 J5.63 J5.64 J5.65 J5.66 J5.67 J5.68 J5.69 J5.B1 J5.B2 J6.17 J6.18 J12.3 J12.4 J12.5 J12.8 J12.14 J12.15 J12.16 J12.17 J12.19 J12.20 J12.22 J12.23 J12.28 J12.29 J12.30 J12.31 J12.32 J12.34 J12.35 J12.41 J12.42 J12.44 J12.45 J12.46 J12.47 J12.48 M1.1 M2.1 M3.1 M4.1 PJ1.0 U1.2 U1.3 U1.9 U1.10 U1.12 U11.1 U11.2 U11.14 U11.16 U11.35 U11.36 U13.2 U13.2_4 U14.23 U14.28 U14.30 U14.32 U18.3 U18.10

## Polygon pours and split planes (outlines as drawn)
GND on Bottom Layer "GND_L06_P069" (solid, remove dead copper, pour order 69): -47.5,27.5 37,27.5 37,-25 -47.5,-25
VOUT_POS on Bottom Layer "VOUT_POS_L06_P071" (solid, pour order 71): -9.7,-5.938 -9.7,-6.163 -9.65,-6.323 -9.398,-7.073 -9.391,-8.691 -10.775,-10.075 -15.425,-10.075 -15.9,-9.6 -15.9,-8.825 -15.775,-8.7 -12.462,-8.7 -11.3,-8.45 -10.5,-8.038 -10.501,-7.074 -10.407,-5.922 -9.716,-5.922
VOUT_POS on Bottom Layer "VOUT_POS_L06_P070" (solid, pour order 70): -9.7,-5.938 -9.7,-6.163 -9.65,-6.323 -9.398,-7.073 -9.391,-8.691 -10.775,-10.075 -15.425,-10.075 -15.9,-9.6 -15.9,-8.825 -15.775,-8.7 -12.462,-8.7 -11.3,-8.45 -10.5,-8.038 -10.501,-7.074 -10.407,-5.922 -9.716,-5.922
VOUT_POS on Bottom Layer "VOUT_POS_L06_P066" (solid, pour order 66): -9.7,-5.938 -9.7,-6.163 -9.65,-6.323 -9.398,-7.073 -9.391,-8.691 -10.775,-10.075 -15.425,-10.075 -15.9,-9.6 -15.9,-8.825 -15.775,-8.7 -12.462,-8.7 -11.3,-8.45 -10.5,-8.038 -10.501,-7.074 -10.407,-5.922 -9.716,-5.922
+VBAT on Bottom Layer "+VBAT_L06_P067" (solid, pour order 67): -27.995,4.5 -27.995,4.322 -27.995,3.75 -26.868,3.75 -26.866,3.753 -26.011,3.075 -24.8,2.2 -22.563,0.516 -21.806,-0.881 -21.125,-1.811 -19.475,-3.35 -18.075,-4.75 -18,-4.811 -17.912,-4.899 -17.851,-5.024 -17.797,-5.139 -17.662,-5.186 -17.548,-5.139 -17.404,-4.996 -17.35,-4.55 -20.05,-1.38 -20.625,-0.2 -21.125,0.67 -22.206,1.627 -24.1,3.075 -25.625,3.875 -26.011,4.164 -26.759,4.474
+V_RX_CONN on Bottom Layer "+V_RX_CONN_L06_P057" (solid, pour order 57): -22.847,8.979 -22.95,7.642 -22.952,7.64 -22.95,7.638 -22.95,6.35 -22.85,6.25 -22.375,6.25 -22.3,6.35 -22.3,7.638 -22.379,8.979
+V_RX on Bottom Layer "+V_RX_L06_P062" (solid, pour order 62): -21.429,8.966 -21.596,7.651 -21.596,6.943 -21.185,6.943 -20.688,6.445 -20.698,6.434 -20.698,5.942 -20.12,5.942 -19.617,6.445 -19.617,8.207 -20.508,8.207 -20.958,8.457 -20.958,8.971
+VCC_MSP430_CONN on Bottom Layer "+VCC_MSP430_CONN_L06_P056" (solid, pour order 56): -30.231,7.594 -30.233,7.592 -30.233,7.075 -29.788,7.075 -29.502,6.788 -29.087,6.788 -28.826,7.026 -28.127,7.026 -28.127,7.688 -28.935,7.688 -29.11,7.863 -29.515,7.863 -29.784,7.594
DVCC1 on Bottom Layer "DVCC1_L06_P055" (solid, pour order 55): -30.23,8.931 -30.232,8.929 -30.232,8.417 -29.792,8.417 -29.5,8.125 -29.085,8.125 -28.8,8.375 -28.812,8.375 -28.125,8.375 -28.125,9.025 -28.933,9.025 -29.108,9.2 -29.513,9.2 -29.782,8.931
+V_IN_HV on Bottom Layer "+V_IN_HV_L06_P068" (solid, pour order 68): -17.781,-5.487 -17.154,-6.067 -17.154,-7.075 -15.853,-7.075 -14.7,-8.228 -14.7,-8.352 -13.902,-8.352 -13.9,-8.35 -13.904,-8.346 -13.898,-5.457 -11.655,-5.307 -10.378,-5.176 -9.701,-5.174 -9.701,-4.921 -9.702,-4.923 -10.4,-4.923 -11.875,-4.5 -13.902,-4.146 -13.898,-4.143 -13.898,-1.45 -14.697,-1.45 -14.7,-1.453 -14.7,-3.85 -16.157,-5.307 -17.729,-5.307 -17.792,-5.37
VGA_VREF on Bottom Layer "VGA_VREF_L06_P060" (solid, pour order 60): -7.555,7.502 -7.098,7.502 -6.513,8.087 -6.513,8.42 -5.965,8.42 -3.75,7.594 -3.746,7.598 -2.679,7.598 -2.679,7.258 -2.671,7.249 -2.72,7.2 -4.244,7.2 -4.688,6.714 -5.295,6.714 -5.295,7.273 -5.451,7.535 -6.281,7.535 -6.964,6.852 -7.252,6.77 -7.555,6.777
+V_RX on Bottom Layer "+V_RX_L06_P061" (solid, pour order 61): -15.436,4.881 -15.43,4.875 -15.43,3.864 -15.601,3.693 -15.599,3.691 -15.599,3.204 -15.003,3.204 -15.002,3.203 -13.526,4.074 -13.526,4.581 -13.423,4.969 -13.423,5.103 -13.423,5.484 -14.941,5.484 -15.174,5.452 -15.21,4.881
+HV on Bottom Layer "+HV_L06_P064" (solid, pour order 64): 5.25,-1.099 4.251,-1.099 4.251,1.899 3.725,2.425 2.05,2.425 1.85,2.625 1.85,2.8 2.142,3.05 4.5,3.05 5.25,2.3
VOUT_NEG on Bottom Layer "VOUT_NEG_L06_P065" (solid, pour order 65): -6.936,-2.114 -6.936,-2.528 -6.933,-2.532 -5.831,-2.532 -4.277,-3.351 -4.276,-3.35 -3.776,-3.351 -2.397,-4.654 -2.391,-4.647 -1.405,-4.647 -1.405,-3.541 -1.298,-2.851 -1.298,-1.734 -2.294,-1.734 -3.776,-2.877 -4.277,-2.877 -5.831,-2.115
NetC67_1 on Bottom Layer "NETC67_1_L06_P058" (solid, pour order 58): -9.221,-2.531 -9.701,-2.718 -9.7,-2.718 -9.7,-4.173 -10.396,-4.174 -10.396,-3.926 -10.101,-2.615 -10.101,-2.123 -9.701,-2.123 -9.219,-2.117 -8.119,-2.117 -8.119,-2.531
NetC67_2 on Bottom Layer "NETC67_2_L06_P063" (solid, pour order 63): -11.703,-1.453 -10.493,-2.132 -10.493,-2.608 -10.533,-2.608 -11.09,-3.165 -11.09,-3.235 -11,-4.028 -10.396,-4.422 -9.7,-4.422 -9.703,-4.671 -9.705,-4.672 -10.396,-4.672 -11.701,-4.145 -11.703,-4.147 -12.498,-4.147 -12.498,-1.451 -12.496,-1.45 -12.493,-1.453
NetL3_2 on Bottom Layer "NETL3_2_L06_P059" (solid, pour order 59): -12.485,-5.648 -12.484,-5.647 -10.397,-5.419 -9.701,-5.419 -9.701,-5.657 -9.701,-5.673 -9.701,-5.677 -10.373,-5.677 -10.4,-5.677 -11.691,-6.53 -11.691,-8.348 -12.484,-8.348
+V_RX on Layer 4 "+V_RX_L04_P051" (solid, pour order 51): -6.798,3.802 -7.345,3.802 -7.475,3.842 -9.783,3.842 -11.05,2.575 -13.725,2.575 -17.85,6.7 -19.975,6.7 -20.3,7.025 -20.3,8.05 -20.225,8.125 -19.125,8.125 -18.775,7.775 -13.9,7.775 -12.15,9.525 -8.7,9.525 -8.3,9.125 -8.3,7.212 -6.3,5.212 -6.3,4.3
+V_VGA on Layer 4 "+V_VGA_L04_P046" (solid, pour order 46): -7.9,3.717 -7.9,3.05 -7.6,2.75 -6.25,2.75 -5,4 -5,6.4 -5.3,6.7 -7.1,8.5 -7.7,8.5 -8,8.2 -8,7.2 -6.148,5.348 -6.148,4.25 -6.513,3.885 -7.647,3.885
DVCC1 on Layer 4 "DVCC1_L04_P053" (solid, pour order 53): -24.8,9.1 -24.45,8.75 -24.425,8.75 -24.425,5.4 -24.075,5.05 -23.575,5.05 -23.2,5.425 -23.2,8.4 -23.175,8.4 -22.475,9.1 -17.275,9.1 -17.05,9.325 -17.05,10.025 -17.5,10.475 -31.625,10.475 -31.625,10.45 -31.625,10.175 -31.625,-5.4 -31.65,-5.425 -31.65,-9.45 -19.375,-9.45 -15.875,-5.95 -13.025,-3.1 -11.475,-1.55 -5.875,-1.55 -5.075,-0.75 -5.075,-0.434 -5.206,-0.302 -5.618,-0.28 -6.269,-0.28 -7.225,-0.75 -14.4,-0.75 -16.775,-2.475 -23.562,-2.475 -23.888,-2.475 -24.911,-3.498 -24.911,-4.094 -24.556,-4.449 -24.567,-5.129 -25.475,-5.745 -28.275,-5.675 -30.063,-4.15 -30.028,-2.475 -29.335,-1.885 -29.345,-0.28 -29.875,0.075 -29.85,1.65 -28.675,2.854 -28.675,3.673 -30.059,4.917 -30.028,7.785 -29.717,8.09 -28.988,8.087 -28.675,8.325 -25.243,9.1
BOT_EL on Layer 4 "BOT_EL_L04_P052" (solid, pour order 52): 4.65,-6.475 5.275,-5.85 5.275,5.975 3.725,7.525 -3.257,7.525 -3.9,8.125 -3.9,9.7 -3.55,10.05 5.45,10.05 7.15,8.35 7.15,-8.2 5.825,-9.525 -2.65,-9.525 -3.075,-9.1 -3.075,-6.8 -2.75,-6.475
+5V on Layer 4 "+5V_L04_P050" (solid, pour order 50): -7.75,-0.463 -7.75,0.05 -8.675,0.975 -21.15,0.975 -23.35,-1.225 -26.175,-1.225 -26.668,-0.732 -26.668,0.507 -26.3,0.875 -26.3,1.175 -26.45,1.325 -27.2,1.325 -27.348,1.177 -27.348,-1.902 -27.2,-2 -22.3,-2 -20.85,-0.55 -8.031,-0.55
+V_IO_IN on Layer 4 "+V_IO_IN_L04_P047" (solid, pour order 47): -28.825,0.45 -27.775,-0.6 -27.775,-1.875 -26.45,-3.2 -25.525,-3.2 -25.104,-3.621 -25.104,-4.479 -25.475,-4.85 -27.049,-4.85 -29.325,-2.626 -29.325,2 -28.825,2.5 -28.15,2.525 -28.15,1.579 -28.825,0.904
+V_RX_CONN on Layer 4 "+V_RX_CONN_L04_P048" (solid, pour order 48): -23,6.3 -22.875,6.175 -22.875,2.475 -25.1,0.25 -26.45,0.25 -26.57,0.13 -26.57,-0.28 -25.9,-0.95 -24.775,-0.95 -21.8,2.025 -21.8,8.025 -22.1,8.375 -22.725,8.375 -23,8.1
+VCC_MSP430_CONN on Layer 4 "+VCC_MSP430_CONN_L04_P045" (solid, pour order 45): -28.075,0.325 -27.827,0.573 -27.828,0.872 -26.85,1.85 -26.85,3.8 -28.6,5.55 -28.6,7.575 -29.05,8.025 -29.55,8.025 -29.85,7.725 -29.85,5.525 -27.775,3.45 -27.775,1.8 -28.7,0.875 -28.7,0.55 -28.475,0.325
PULSER_OUT_B on Layer 4 "PULSER_OUT_B_L04_P044" (solid, pour order 44): -11.45,-8.525 -11.625,-8.35 -11.625,-7.855 -11.32,-7.55 -10.955,-7.55 -7.1,-9 -6.825,-9.275 -6.825,-9.7 -7,-9.875 -7.425,-9.875 -10.955,-8.525
+HV on Layer 4 "+HV_L04_P049" (solid, pour order 49): -11.25,-9.825 -11.25,-9.8 -10.975,-9.525 -10.975,-9.125 -11.25,-8.85 -11.6,-8.85 -11.8,-8.65 -11.8,-7.775 -11.175,-7.15 -5.35,-7.15 -0.95,-2.75 -0.95,0.325 0.95,2.225 3.2,2.225 3.45,2.475 3.45,3 3.15,3.3 0.55,3.3 -2.025,0.725 -2.025,-2.25 -5.525,-5.75 -11.15,-5.75 -12.55,-7.15 -12.55,-9.35 -12.075,-9.825
GND on Top Layer "GND_L01_P042" (solid, remove dead copper, pour order 42): -47.613,27.488 37,27.488 37,-25.012 -47.613,-25.012
VOUT_POS on Top Layer "VOUT_POS_L01_P039" (solid, pour order 39): -16.996,-8.605 -17.002,-8.61 -17.002,-9.711 -14.7,-9.711 -13.8,-9.575 -13.814,-9.561 -13.8,-8.871 -14.804,-8.737 -17,-8.6
PVCC on Top Layer "PVCC_L01_P040" (solid, pour order 40): -18.775,-0.944 -18.766,-0.952 -18.217,-0.944 -17.527,-1.09 -17.439,-2.091 -17.07,-2.091 -16.433,-2.728 -15.543,-2.728 -14.836,-3.077 -13.838,-3.077 -13.838,-1.929 -14.954,-1.389 -14.954,-0.509 -14.963,-0.5 -15.703,-0.5 -15.703,-1.212 -15.943,-1.453 -16.565,-1.453 -16.928,-1.09 -16.928,-0.509 -17.527,-0.509 -17.531,-0.513 -18.18,-0.209 -18.77,-0.209
+HV on Top Layer "+HV_L01_P038" (solid, pour order 38): -9.99,-8.627 -9.974,-8.611 -9.974,-8.627 -9.702,-7.84 -9.712,-7.83 -9.712,-6.652 -10.125,-6.652 -10.15,-6.678 -10.15,-7.84 -10.729,-8.627 -11.079,-8.627 -11.82,-8.716 -12.078,-8.45 -12.078,-7.229 -12.098,-7.209 -13.147,-7.209 -13.172,-8.202 -13.086,-8.867 -13.086,-9.57 -13.096,-9.58 -13.042,-9.633 -9.985,-9.633 -9.985,-8.642 -9.98,-8.637
TX_RX on Top Layer "TX_RX_L01_P041" (solid, pour order 41): -2.7,-2.731 -2.266,-3.15 2.15,-3.15 3.017,-2.283 3.017,2.283 2,3.3 -1.5,3.3 -2.15,2.65 -2.15,2.125 -1.325,1.3 -1.325,-0.875 -2.7,-2.25
DVCC1 on Top Layer "DVCC1_L01_P037" (solid, pour order 37): -19.55,9.8 -17.6,9.8 -17.375,9.575 -17.375,9.3 -17.5,9.175 -18.4,9.175 -18.55,9.025 -18.55,8.65 -19.55,8.65
GND on Layer 2 "GND_L02_P043" (solid, pour order 43): -47.5,27.5 37,27.5 37,-25 -47.5,-25
GND on Layer 5 "GND_L05_P054" (solid, pour order 54): -47.5,27.5 37,27.5 37,-25 -47.5,-25

## Silkscreen, mask and mechanical layers (free items; w line width, h text height)
Top Overlay:
  text "GND" at -31.375,8.675 h0.8
  text "GND" at -6.046,8.011 h0.8 r90
  text "GND" at -33.45,6.75 h0.8 r90
  text "+VBAT" at -41.65,4.85 h0.8
  text "RSTN" at -33.4,2.65 h0.8 r90
  text "TX" at -33.4,0.4 h0.8 r90
  text "+VMSP" at -41.65,-0.05 h0.8
  text "RX" at -33.4,-1.85 h0.8 r90
  text "+5V" at -40.45,-4.75 h0.7
  text "WULPUS PRO v1.0" at 6.675,-5.75 h0.8 r90
  text "+V_RX" at -41.25,-5.833 h0.7
  text "DVCC" at -33.4,-5.85 h0.8 r90
  text "TEST" at -37.35,-8.75 h0.8
Bottom Overlay:
  drawing of 6 lines, arcs and shapes, not listed
  text "GND" at 16.55,16.6 h0.8
  text "BOT EL" at 27.65,15.75 h0.8
  text "18.02.25 Vsergei" at -20.225,3.55 h0.9 r90
  text "WULPUS PRO v1.0.0" at -21.825,3.425 h0.8 r90
  text "+HV" at 5.925,0.425 h0.8 r270
  text "-HV" at 5.85,-5.125 h0.8 r270
  text "ZURICH" at -5.375,-9.775 h0.8
  text "GND" at 5.925,-9.825 h0.8 r270
  text "BOT EL" at 27.55,-13.35 h0.8
  text "GND" at 14.95,-13.4 h0.8
  text "Board #" at 17.5,-15.275 h0.8
  text "QA" at 23.525,-15.275 h0.8
Mechanical 1:
  lines w0.254: -31.753,6.4 cw(c-32.35,6.4) -32.947,6.4 -32.947,11.672 -32.919,11.7 -29.2,11.7 cw(c-29.2,11.1) -29.2,10.5 -31.75,10.5 -31.75,6.4 ; -31.753,3.275 cw(c-32.35,3.275) -32.947,3.275 -32.95,4.375 cw(c-32.35,4.375) -31.75,4.375 -31.75,3.275 ; -31.749,-8.301 cw(c-31.7,-10.5) -29.5,-10.5 ; -31.7,-1.9 ccw(c-32.3,-1.9) -32.9,-1.886 -32.9,-11.6 -32.8,-11.7 -26.7,-11.7 ccw(c-26.7,-11.1) -26.7,-10.5 -31.7,-10.5 -31.7,-1.886 ; -2.025,11.1 ccw(c-2.625,11.1) -2.625,11.7 ; -1.625,-11.1 ccw(c-2.225,-11.1) -2.225,-10.5 ; 30.6,-11.1 ccw(c30,-11.1) 30,-10.5 ; 30.625,11.1 ccw(c30.025,11.1) 30.025,11.7 ; -2.625,11.7 cw(c-2.625,11.1) -2.625,10.5 -22.5,10.5 cw(c-22.5,11.1) -22.5,11.7 -2.625,11.7 ; -2.225,-10.5 cw(c-2.225,-11.1) -2.225,-11.7 -21,-11.7 cw(c-21,-11.1) -21,-10.5 -2.225,-10.5 ; 7.25,-10.5 8.45,-10.5 8.45,10.5 7.25,10.5 7.25,-10.5 ; 7.25,-10.5 30,-10.5 ; 7.25,-10.5 4.975,-10.5 ccw(c4.975,-11.1) 4.975,-11.7 30,-11.7 ccw(c30,-11.1) 30,-10.5 ; 30.025,11.7 cw(c30.025,11.1) 30.025,10.5 5,10.5 cw(c5,11.1) 5,11.7 30.025,11.7

## Text inside footprints (layer, text, board x,y; h text height)
D3: Bottom Assembly "BD" at -7.075,-2.573 h0.8; Bottom Overlay "*" at -9.6,-1.075 h0.8 r180; Bottom 3D Body "*" at -8.49,-1.688 h0.8 r180
U11: Top Overlay "*" at 3.25,4.625 h0.8 r270; Top 3D Body "*" at 2.413,3.442 h0.8 r270